# Altium PCB AMP.PcbDoc (part 4 of 5) (continued)
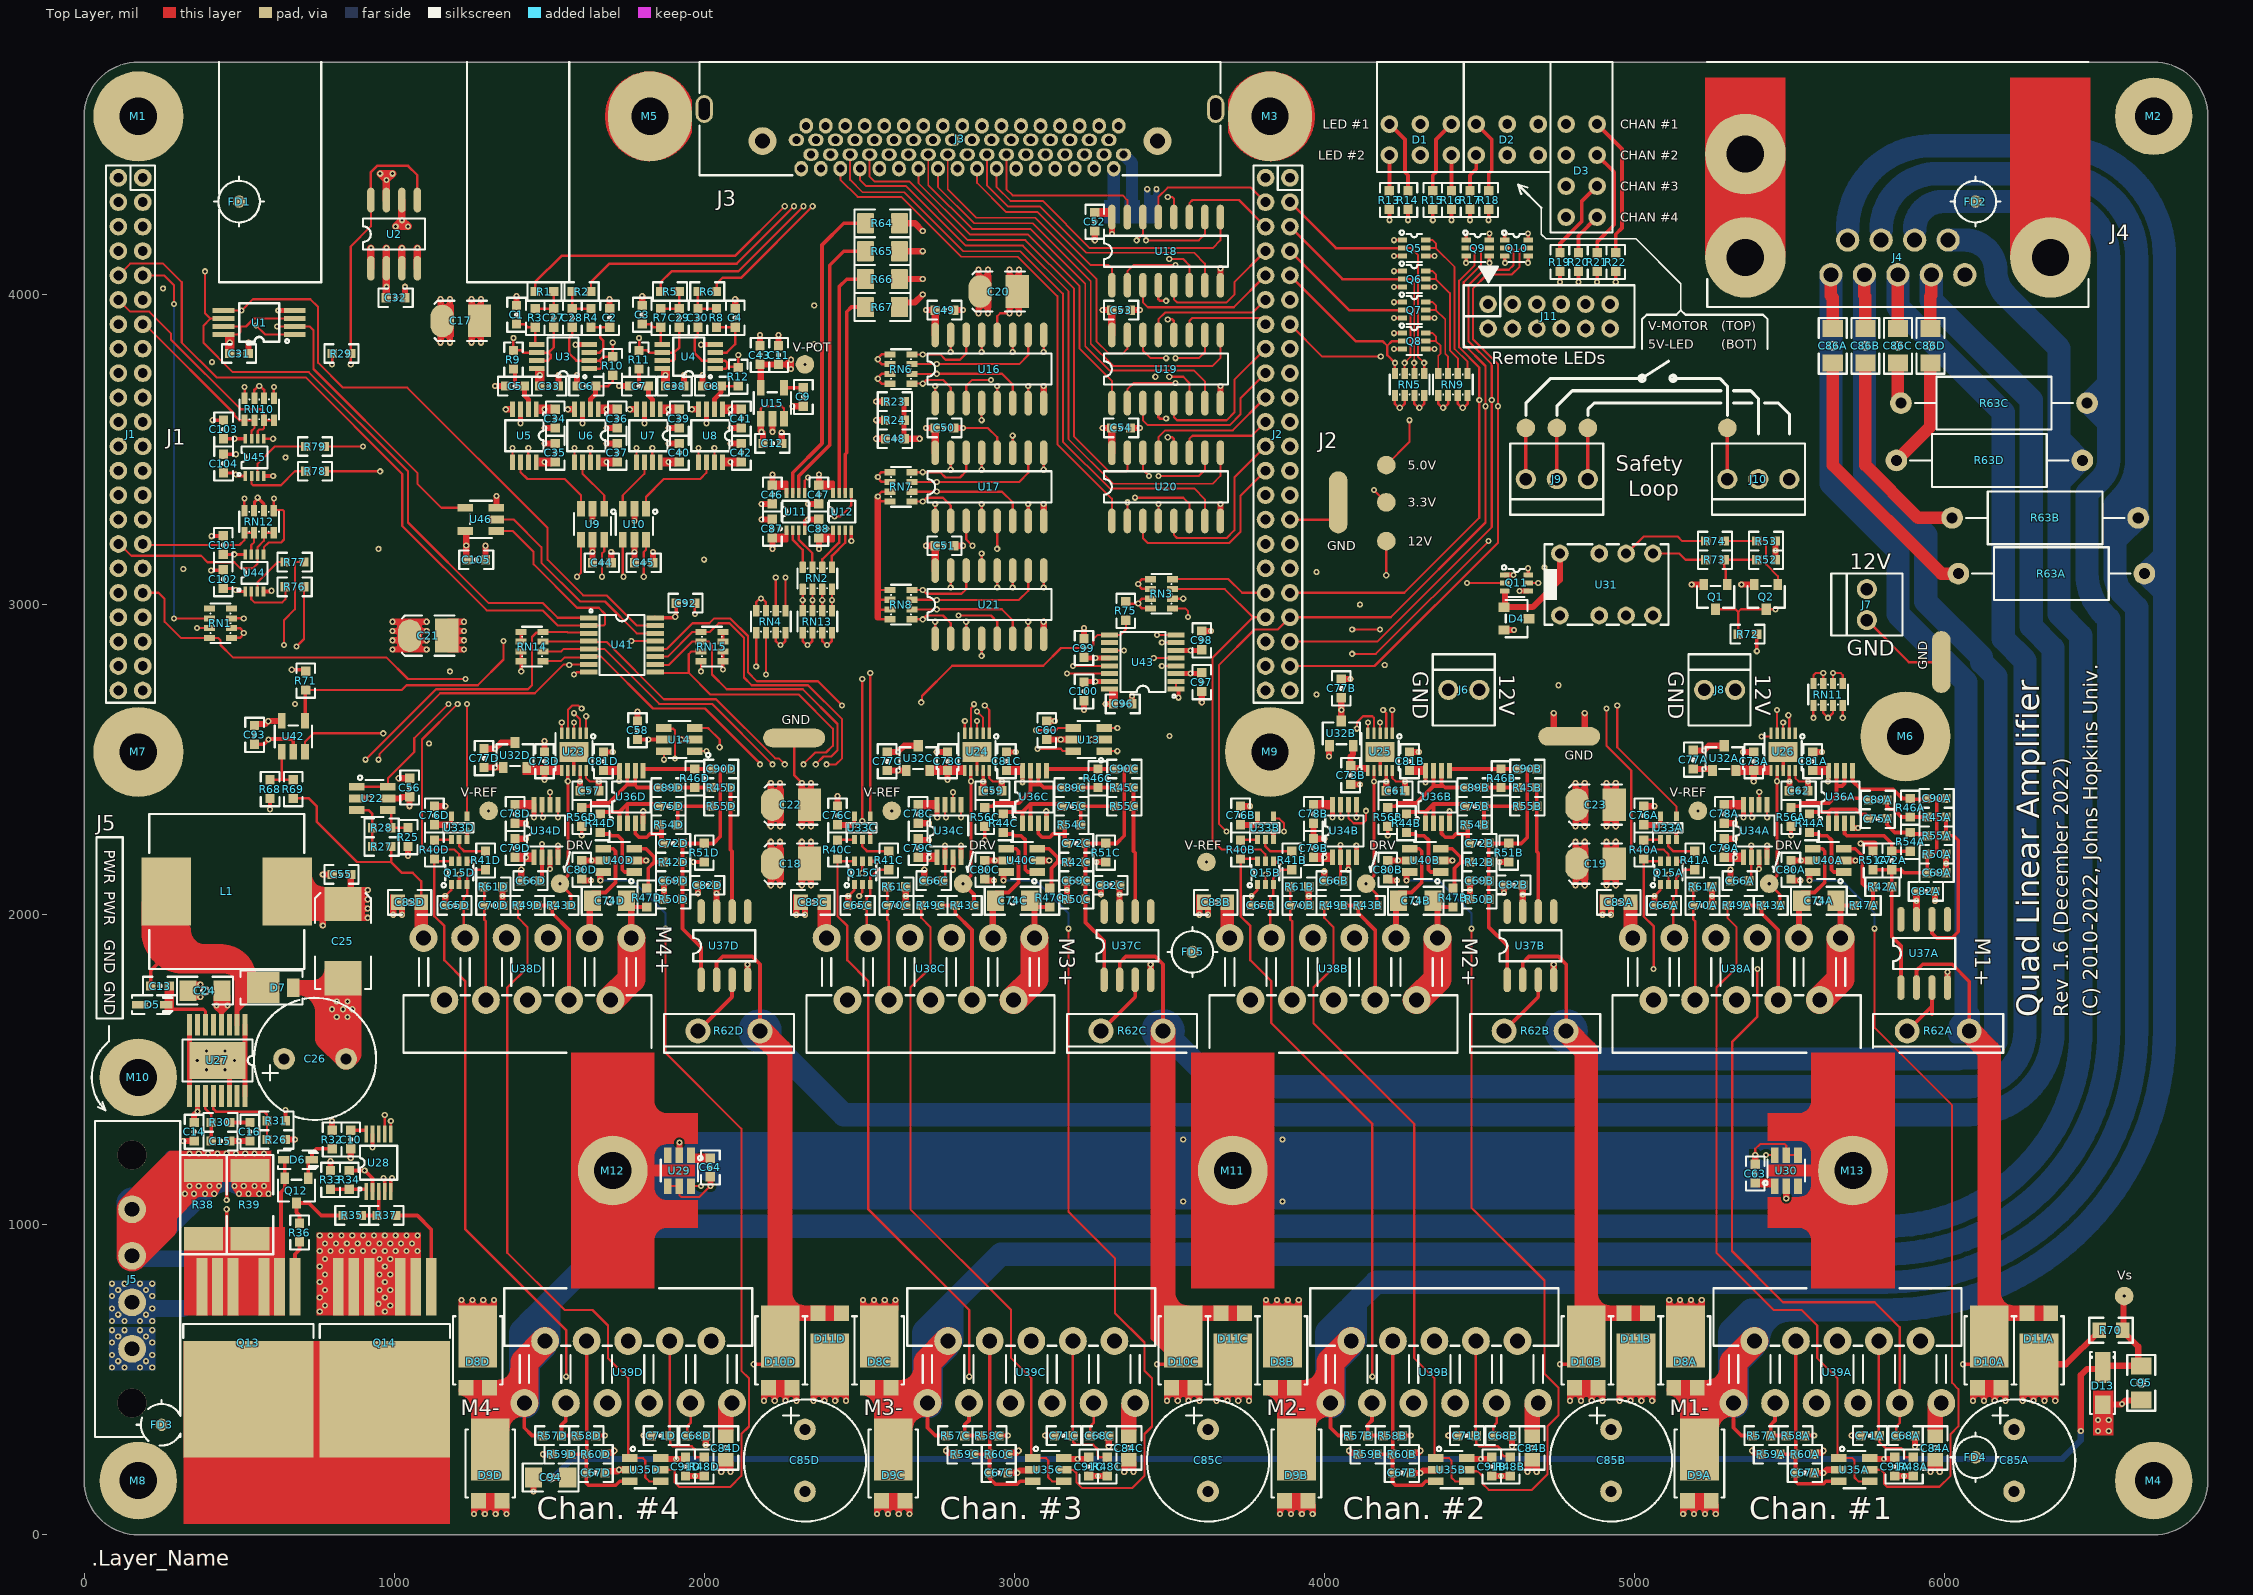
[diagram p0: Top Layer view]
## Nets (pads, with @x,y where several pads share a name; then routed paths per layer and width w, separated by ;. In a path a pad name is that pad's centre, name@x,y a point inside that pad or via, vN(x,y) a via of type N, cw(c..) or ccw(c..) an arc to the next point about the centre after c; other vN are vias at no path point) (continued)
NetR43A_2: R43A.2 R49A.1 U38A.4 | length 378.8
  Top Layer w12: R49A.1@5360,2030 R43A.2@5410,2030 5410,2005 5464,1951 U38A.4@5464,1725 U38A.4@5465,1726
NetR43B_2: R43B.2 R49B.1 U38B.4 | length 377.4
  Top Layer w12: R49B.1@4060,2030 R43B.2@4110,2030 4110,2005 4164,1951 U38B.4@4164,1725
NetR43C_2: R43C.2 R49C.1 U38C.4 | length 377.4
  Top Layer w12: R49C.1@2760,2030 R43C.2@2810,2030 2810,2005 2864,1951 U38C.4@2864,1725
NetR43D_2: R43D.2 R49D.1 U38D.4 | length 377.4
  Top Layer w12: R49D.1@1460,2030 R43D.2@1510,2030 1510,2005 1564,1951 U38D.4@1564,1725
NetR45A_1: R45A.1 R55A.1 U37A.6 | length 540.7
  Top Layer w12: U37A.6@5960,1985 5960,1940 5975,1925 6025,1925 6045,1945 6045,2240 6030,2255 R55A.1@6005,2255 R45A.1@6005,2310
NetR45B_1: R45B.1 R55B.1 U37B.6 | length 402.1
  Top Layer w12: R45B.1@4685,2410 R55B.1@4685,2350 4685,2203.62 4690,2198.62 U37B.6@4690,2010
NetR45C_1: R45C.1 R55C.1 U37C.6 | length 402.1
  Top Layer w12: R45C.1@3385,2410 R55C.1@3385,2350 3385,2205 3390,2200 U37C.6@3390,2010
NetR45D_1: R45D.1 R55D.1 U37D.6 | length 402.1
  Top Layer w12: R45D.1@2085,2410 R55D.1@2085,2350 2085,2210 2090,2205 U37D.6@2090,2010
NetR57A_1: R57A.1 R58A.2 U39A.3 | length 160.8
  Top Layer w12: U39A.3@5454,425 5454,369 5440,355 R57A.1@5440,320 R58A.2@5490,320
NetR57B_1: R57B.1 R58B.2 U39B.3 | length 160.8
  Top Layer w12: U39B.3@4154,425 4154,369 4140,355 R57B.1@4140,320 R58B.2@4190,320
NetR57C_1: R57C.1 R58C.2 U39C.3 | length 160.8
  Top Layer w12: U39C.3@2854,425 2854,369 2840,355 R57C.1@2840,320 R58C.2@2890,320
NetR57D_1: R57D.1 R58D.2 U39D.3 | length 160.8
  Top Layer w12: U39D.3@1554,425 1554,369 1540,355 R57D.1@1540,320 R58D.2@1590,320
NetR64_1: R64.1 U11.7 | length 1008.3
  Top Layer w11.5: U11.7@2285.16,3360 2285.16,3425.16 2380,3520 2380,4160 2450,4230 R64.1@2520,4230
NetR65_1: R65.1 U11.6 | length 910.1
  Top Layer w11.5: U11.6@2304.84,3360 2304.84,3414.84 2405,3515 2405,4095 2450,4140 R65.1@2520,4140
NetR66_1: R66.1 U12.7 | length 760.4
  Top Layer w11.5: U12.7@2435.16,3360 2435.16,3380 2435,3380.16 2435,4025 2460,4050 R66.1@2520,4050
NetR67_1: R67.1 U12.6 | length 653.3
  Top Layer w11.5: U12.6@2454.84,3360 2454.84,3484.84 2460,3490 2460,3945 2475,3960 R67.1@2520,3960
NetR76_1: R76.1 U44.2 | length 183.2
  Top Layer w7: U44.2@539.41,3042.38 539.41,3017.22 549.25,3007.38 639.25,3007.38 649.25,3017.38 R76.1@649.25,3057.38
NetR77_1: R77.1 U44.3 | length 147
  Top Layer w7: U44.3@559.09,3042.38 559.09,3072.22 624.25,3137.38 R77.1@649.25,3137.38
NetR78_1: R78.1 U45.2 | length 220.6
  Top Layer w7: U45.2@540.16,3415 540.16,3389.84 545,3385 635,3385 680,3430 R78.1@715,3430
NetR79_1: R79.1 U45.3 | length 217.8
  Top Layer w7: U45.3@559.84,3415 559.84,3454.84 615,3510 R79.1@715,3510
NetRN2_5: RN2.5 U12.3 | length 137.3
  Top Layer w8: RN2.5@2412.24,3120.5 2412.24,3157.24 2454.53,3199.53 2454.53,3240 U12.3@2454.84,3240
NetRN2_6: RN2.6 U12.2 | length 142
  Top Layer w8: RN2.6@2380.75,3120.5 2380.75,3145.75 2435.16,3200.16 U12.2@2435.16,3240
NetRN2_7: RN2.7 U11.3 | length 137.9
  Top Layer w8: U11.3@2304.84,3240 2304.84,3210.16 2349.25,3165.75 RN2.7@2349.25,3120.5
NetRN2_8: RN2.8 U11.2 | length 133
  Top Layer w8: U11.2@2285.16,3240 2285.16,3209.84 2317.76,3177.24 RN2.8@2317.76,3120.5
NetU5_6: U5.6 U9.3 | length 301.2
  Top Layer w7: U5.6@1407.2,3460 1407.2,3427.8 1430,3405 1550,3405 1602.5,3352.5 U9.3@1602.5,3310
NetU6_6: U6.6 U9.1 | length 179.1
  Top Layer w7: U6.6@1607.2,3460 1607.2,3422.8 1677.5,3352.5 U9.1@1677.5,3310
NetU7_6: U7.6 U10.3 | length 178.9
  Top Layer w7: U10.3@1737.5,3310 1737.5,3352.5 1807.2,3422.2 U7.6@1807.2,3460
NetU8_6: U8.6 U10.1 | length 299.3
  Top Layer w7: U10.1@1812.5,3310 1812.5,3347.5 1870,3405 1987.2,3405 2007.2,3425 U8.6@2007.2,3460
NetU41_14: U41.14 U46.2 | length 693.8
  Top Layer w7: U46.2@1330,3275 1385,3275 1475,3185 1475,3135 1600,3010 1680,3010 1782.5,2907.5 U41.14@1842.25,2907.5
OUT1: J1.22 RN2.1 RN13.8 | length 2534.5
  Top Layer w7: RN13.8@2317.76,2980.5 v1(2317.76,3014.5) RN2.1@2317.76,3049.5
  MidLayer1 w6: J1.22@110.63,3589.37 150,3550 286.16,3550 388.08,3448.08 611.92,3448.08 1070,2990 2185,2990 2209.5,3014.5 v1(2317.76,3014.5)
OUT2: J1.21 RN2.2 RN13.7 | length 2492.7
  Top Layer w7: RN13.7@2349.25,2980.5 v1(2349.25,3014.5) RN2.2@2349.25,3049.5
  MidLayer1 w6: J1.21@189.37,3589.37 280.63,3589.37 405,3465 630,3465 1085,3010 2145,3010 2176,3041 2322.75,3041 v1(2349.25,3014.5)
OUT3: J1.20 RN2.3 RN13.6 | length 2628.9
  Top Layer w7: RN13.6@2380.75,2980.5 v1(2380.75,3014.5) RN2.3@2380.75,3049.5
  MidLayer1 w6: J1.20@110.63,3668.11 150,3628.74 281.26,3628.74 295,3615 560,3615 1145,3030 2140,3030 2163,3053 2342.25,3053 v1(2380.75,3014.5)
OUT4: J1.19 RN2.4 RN13.5 | length 2575
  Top Layer w7: RN13.5@2412.24,2980.5 v1(2412.24,3014.5) RN2.4@2412.24,3049.5
  MidLayer1 w6: J1.19@189.37,3668.11 276.89,3668.11 310,3635 565,3635 1150,3050 2135,3050 2150,3065 2361.74,3065 v1(2412.24,3014.5)
PIN-34: J3.34 | length 183.1
  Bottom Layer w40: J3.34@3352.56,4451.69 3380,4424.25 3380,4280
POSLIM1: J3.9 RN7.5 U17.2 | length 1321.5
  Top Layer w7: RN7.5@2670.5,3332.76 v1(2705,3332.76) 2717.24,3345 2770,3345 2795,3320 U17.2@2795,3270
  MidLayer1 w6: J3.9@2565.16,4406.42 2565.16,4365 2580.16,4350 2580.16,3457.6 v1(2705,3332.76)
POSLIM2: J3.10 RN7.6 U17.6 | length 1578.2
  Top Layer w7: RN7.6@2670.5,3364.25 2960.75,3364.25 2995,3330 U17.6@2995,3270
  MidLayer1 w6: J3.10@2596.65,4451.69 2596.65,4370 2600,4366.65 2600,3465 2700,3365 v1(2750,3365)
POSLIM3: J3.43 RN8.8 U21.14 | length 2582.8
  Top Layer w7: RN8.8@2670.5,3047.24 v1(2705,3047.24) 2717.24,3035 2830,3035 2845,3050 U21.14@2845,3110
  MidLayer1 w6: J3.43@2549.41,4498.94 2549.41,4575.59 2497,4628 2219,4628 ccw(c2219,4526) 2146.88,4598.12 2115.88,4567.12 ccw(c2188,4495) 2086,4495 2086,4349 2450,3985 2450,3345 2705,3090 v1(2705,3047.24)
POSLIM4: J3.44 RN8.7 U21.10 | length 2880.6
  Top Layer w7: RN8.7@2670.5,3015.75 2749.25,3015.75 v1(2750,3015) 3015,3015 3045,3045 U21.10@3045,3110
  MidLayer1 w6: J3.44@2580.91,4544.21 2580.91,4579.09 2520,4640 2219,4640 ccw(c2219,4526) 2138.39,4606.61 2107.39,4575.61 ccw(c2188,4495) 2074,4495 2074,4341 2435,3980 2435,3340 2685,3090 2685,3040 2709.25,3015.75 2749.25,3015.75 v1(2750,3015)
POT1: J3.35 R1.1 | length 1165.9
  Top Layer w8: R1.1@1455,4010 1455,4040 1540,4125 2100,4125 v1(2260,4285)
  MidLayer1 w8: v1(2260,4285) 2260,4461.5 J3.35@2297.44,4498.94
POT2: J3.2 R5.1 | length 768.4
  Top Layer w8: R5.1@1860,4010 1860,4040 1895,4075 2110,4075 v1(2320,4285)
  MidLayer1 w6: 2344.69,4375 J3.2@2344.69,4451.69
  MidLayer1 w8: v1(2320,4285) 2344.69,4309.69 2344.69,4375
POT3: J3.37 R2.1 | length 1047.5
  Top Layer w8: R2.1@1635,4010 1635,4040 1695,4100 2105,4100 v1(2290,4285)
  MidLayer1 w6: 2304.89,4459.89 2343.94,4498.94 J3.37@2360.43,4498.94
  MidLayer1 w8: v1(2290,4285) 2290,4360 2280,4370 2280,4435 2304.89,4459.89
POT4: J3.4 R6.1 | length 629.1
  Top Layer w8: R6.1@2040,4010 2040,4035 2060,4055 2120,4055 v1(2350,4285)
  MidLayer1 w6: 2407.68,4375 J3.4@2407.68,4451.69
  MidLayer1 w8: v1(2350,4285) 2407.68,4342.68 2407.68,4375
PWR-EN: J1.36 RN1.7 U28.6 | length 2231.7
  Top Layer w7: v1(364.25,2924.25) RN1.7@404.5,2924.25 ; U28.6@989.37,1292.5 v1(989.37,1334.37)
  MidLayer1 w6: J1.36@110.63,3038.19 150,2998.82 289.68,2998.82 v1(364.25,2924.25) 810,2478.5 810,1817.32 989.37,1637.95 v1(989.37,1334.37)
PWR-IN: D12.1 J5.3 J5.4 R38.1 R39.1 U28.5 | length 3797
  Top Layer w11.5: U28.5@989.37,1107.5 v1@989.37,1150.31
  Top Layer w12: v1(460,1080) 460,1175
  Top Layer w20: v1(420,1100) v1(435,1125) ; v1(485,1125) v1(500,1100)
  Top Layer w50: J5.4@135,1065 285,1215 345,1215 366.15,1210.77 370,1210 R38.1@380,1210 ; J5.3@172.5,882.5 275,985 275,1030 355,1110
  Top Layer w75: R38.1@385,1175 460,1175 R39.1@535,1175
  Top Layer w100: J5.3@155,900 J5.4@155,1050
  MidLayer1 w11.5: v1(460,1080) 465,1075 850,1075 948,1173 977,1173 993.5,1156.5 v1(993.5,1150.31)
  MidLayer1 w20: v1(420,1100) cw(c460,1060) v1(500,1100)
  MidLayer1 w50: J5.4@137.5,1067.5 285,1215 ; J5.3@172.5,882.5 v1(390,1100) v1@395,1105
  MidLayer1 w100: J5.3@155,900 J5.4@155,1050
  MidLayer1 w110: 180,1000 290,1110
  Bottom Layer w20: v1(420,1100) cw(c460,1060) v1(500,1100)
  Bottom Layer w40: J5.4@125,1025 125,1070 cw(c155,1070) 155,1100 ccw(c155,1225) 279.9,1220 310,1220
  Bottom Layer w50: J5.3@172.5,882.5 277.5,987.5 v1(390,1100) v1@395,1105 ; 380,1115 387.5,1122.5
  Bottom Layer w54: J5.3@170,890 D12.1@320,890
  Bottom Layer w100: J5.3@155,900 J5.4@155,1050
  Bottom Layer w110: 180,1000 290,1110
  other v1: 325,1100 355,1100 530,1100 565,1100 595,1100 340,1125 370,1125 405,1125 515,1125 550,1125 580,1125 340,1230 370,1230 400,1230 430,1230 460,1230 490,1230 520,1230 550,1230 580,1230
RELAY-ON: J1.35 Q11.5 RN1.8 | length 5009.3
  Top Layer w7: J1.35@189.37,3038.19 240,3038.19 259.88,3018.31 259.88,2945.12 312.24,2892.76 RN1.8@404.5,2892.76 432.24,2892.76 440,2885 440,2870 480,2830 975,2830 1045,2760 v1(1230,2760) ; v1(4090,2920) v1(4180,2920) ; Q11.5@4657.5,3070 v1(4690,3070)
  MidLayer1 w6: v1(1230,2760) 1250,2740 2135,2740 2197,2802 2812,2802 3100,3090 3705,3090 3796.18,2998.82 3831.18,2998.82 3850,2980 3850,2940 3869.92,2920.08 4089.92,2920.08 v1(4090,2920) ; v1(4180,2920) 4540,2920 v1(4690,3070)
SAFETY-A: Q1.1 R52.1 R73.2 | length 189.1
  Top Layer w7: Q1.1@5300,3065 5295,3070 5295,3115 5290,3120 R73.2@5290,3145 R52.1@5395,3145
SAFETY-B: Q2.1 R53.1 R74.2 | length 287.8
  Top Layer w7: R74.2@5290,3205 R53.1@5395,3205 5420,3205 5425,3200 5425,3130 5463,3092 Q2.1@5463,3065
SAFETY-FB: Q1.3 Q2.3 R72.2 U41.12 | length 4694.2
  Top Layer w7: U41.12@1842.25,2857.5 1880,2857.5 1962.5,2940 2016.25,2940 2031.25,2955 2085,2955 2141.31,2898.69 2141.31,2781.69 2170,2753 2367,2753 v1(2445,2675) ; Q1.3@5262,2985 5326.5,2985 5335,2976.5 ; R72.2@5335,2905 5335,2976.5 ; v1(5455,2985) Q2.3@5425,2985 5343.5,2985 5335,2976.5
  MidLayer1 w7: v1(2445,2675) 2641.96,2675 2651.96,2665 2750,2665 2783.5,2698.5 2918.5,2698.5 3125.5,2905.5 3253.18,2905.5 3282.68,2935 3530.53,2935 3605,2860.53 3605,2820 3740,2685 4019.1,2685 4029.1,2695 4235,2695 4299.5,2630.5 5380.5,2630.5 5455,2705 v1(5455,2985)
SCLK: J1.24 RN11.3 RN11.4 U23.3 U24.3 U25.3 U26.3 U43.8 | length 6932.1
  Top Layer w7: U23.3@1580,2585 v1(1580,2619.68) ; U24.3@2880,2585 v1(2880,2624.68) ; v1(3460,2902.5) U43.8@3522.25,2902.5 ; U25.3@4180,2585 v1(4180,2619.68) ; U26.3@5480,2585 v1(5480,2619.68) ; RN11.4@5577.76,2745.5 5577.76,2772.76 5584.25,2779.25 v1(5609.25,2779.25) RN11.3@5609.25,2745.5
  MidLayer1 w6: J1.24@110.63,3510.63 150,3471.26 303.74,3471.26 1135,2640 1560,2640 1580,2620 v1(1580,2619.68) 1776.56,2619.68 1821.87,2665 2408.03,2665 2433.03,2640 2825,2640 2830,2645 2859.68,2645 v1(2880,2624.68) 2894.68,2624.68 3145,2875 3257.33,2875 3284.83,2902.5 v1(3460,2902.5) 3487.5,2902.5 3511,2879 3511,2626.87 3718.93,2418.93 ccw(c3825,2525) 3931.07,2418.93 3996,2483.87 3996,2519.81 4116.19,2640 4159.68,2640 v1(4180,2619.68) 4204.68,2595 5455.32,2595 v1(5480,2619.68) 5499.68,2619.68 5525,2645 5525,2695 v1(5609.25,2779.25)
SCLK1: J1.5 U1.6 U41.1 | length 2256.5
  Top Layer w6: 407.2,3922.2 407.2,3922.8
  Top Layer w7: v1(390,4075) 390,3940 407.2,3922.8 U1.6@450,3922.8 ; 407.2,3922.2 385,3900 385,3845 480,3750 725,3750 1045,3430 1045,3265 1305,3005 1480,3005 1527.5,2957.5 U41.1@1627.75,2957.5
  MidLayer1 w6: J1.5@189.37,4219.29 245.71,4219.29 v1(390,4075)
SCLK-CUR: R77.2 U34A.7 U34B.7 U34C.7 U34D.7 | length 5795
  Top Layer w7: v1(645,2870) 645,2950 680,2985 680,3133.86 683.51,3137.38 R77.2@709.25,3137.38 ; v1@1477.2,2316.8 U34D.7@1477.2,2355 ; U34C.7@2777.2,2355 2777.2,2316.8 v1(2780,2314) ; U34B.7@4052.2,2355 4052.2,2316.8 v1(4055,2314) ; U34A.7@5377.2,2355 5377.2,2316.8 v1(5380,2314)
  MidLayer1 w6: v1(645,2870) 645,2845 1100,2390 1404,2390 v1(1480,2314) 1499,2295 1540,2295 1600,2355 1925,2355 2083,2513 2397,2513 2555,2355 2739,2355 v1(2780,2314) 2804,2290 3550,2290 3645,2195 3900,2195 3994,2289 4030,2289 v1(4055,2314) 4074,2295 4241,2295 4316,2370 5324,2370 v1(5380,2314)
SCLK-CUR3: J1.32 RN12.3 RN12.4 U44.6 | length 626.8
  Top Layer w6: J1.32@110.63,3195.67 J1.32@114.33,3195.67
  Top Layer w7: J1.32@114.33,3195.67 152.51,3157.49 377.51,3157.49 398.12,3136.88 484.75,3136.88 504.25,3117.38 544.25,3117.38 559.25,3132.38 U44.6@559.25,3162.22 ; U44.6@559.09,3162.38 559.09,3185.12 580,3206.02 RN12.3@580,3231.88 RN12.4@611.5,3231.88
SCLK-POT: R79.2 U5.7 U6.7 U7.7 U8.7 | length 1514.4
  Top Layer w7: R79.2@775,3510 v1(900,3510) ; U5.7@1432.8,3460 v1(1432.8,3505) ; U6.7@1632.8,3460 v1(1632.8,3505) ; U7.7@1832.8,3460 v1(1832.8,3505) ; U8.7@2032.8,3460 v1(2032.8,3505)
  MidLayer1 w6: v1(900,3510) 915,3525 1412.8,3525 v1(1432.8,3505) 1437.8,3500 1545,3500 1570,3525 1612.8,3525 v1(1632.8,3505) 1637.8,3500 1745,3500 1770,3525 1812.8,3525 v1(1832.8,3505) 1837.8,3500 1945,3500 1970,3525 2012.8,3525 v1(2032.8,3505)
SCLK-POT3: J1.12 RN10.3 RN10.4 U45.6 | length 763.3
  Top Layer w7: J1.12@110.63,3983.07 148.7,3945 210,3945 280,3875 280,3855 505,3630 570,3630 580,3620 580,3595.25 RN10.3@580.75,3594.5 ; U45.6@559.84,3535 560,3535.16 560,3560 565,3565 575.9,3565 580,3569.1 580,3593.75 RN10.3@580.75,3594.5 ; RN10.4@612.24,3594.5 RN10.3@580.75,3594.5
TEMP1: J1.33 U30.6 | length 6566.3
  Top Layer w7: v1(5425,1225) U30.6@5452.5,1225 U30.6@5455,1225
  MidLayer1 w7: J1.33@189.37,3116.93 248.07,3116.93 655,2710 685,2710 875,2520 875,1845 1135,1585 1710,1585 2105,1190 3537.26,1190 3628.63,1098.63 ccw(c3705,1175) 3781.37,1098.63 3867.74,1185 5385,1185 v1(5425,1225)
TEMP2: J1.34 U29.6 | length 3196.8
  Top Layer w7: U29.6@1957.5,1125 v1(1990,1125)
  MidLayer1 w7: J1.34@110.63,3116.93 150,3077.56 242.44,3077.56 825,2495 825,1825 1110,1540 1690,1540 1965,1265 1965,1150 v1(1990,1125)
V-ENC1/2: J3.23 J3.25 U2.7 | length 161.6
  Top Layer w24: U2.7@975,4305 v1(975,4370) ; v1(975,4370) v1(995,4390) v1(955,4390) v1(975,4370)
V-ENC3/4: J3.27 J3.29 U2.6 | length 161.6
  Top Layer w24: U2.6@1025,4305 v1(1025,4240) ; v1(1025,4240) v1(1045,4220) v1(1005,4220) v1(1025,4240)
V-MOTOR: C24.1 C26.1 C83A.2 C83B.2 C83C.2 C83D.2 C84A.2 C84B.2 C84C.2 C84D.2 C85A.1 C85B.1 C85C.1 C85D.1 D8A.3 D8B.3 D8C.3 D8D.3 D11A.3 D11B.3 D11C.3 D11D.3 Q14.2 Q14.3 Q14.5 Q14.6 Q14.7 R27.1 R34.1 R59A.2 R59B.2 R59C.2 R59D.2 R69.2 R70.2 U27.4 U28.2 U38A.10 U38A.11 U38B.10 U38B.11 U38C.10 U38C.11 U38D.10 U38D.11 U39A.10 U39A.11 U39B.10 U39B.11 U39C.10 U39C.11 U39D.10 U39D.11 | length 4132.5
  Top Layer w8: R69.2@675,2375 725,2375 750,2350 750,2300 880,2170 990,2170 ; R27.1@990,2220 990,2170 ; C83D.2@1087.5,2040 1087.5,2107.5 1060,2135 1025,2135 990,2170
  Top Layer w11.5: v1(905,1175) 930.31,1149.69 U28.2@930.31,1107.5
  Top Layer w12: R34.1@855,1175 v1(905,1175)
  Top Layer w16: v1@425.75,1701.75 442,1685.5 ; U27.4@442.8,1645 442.8,1692.2 ; C24.1@445,1750 445,1710 447.5,1707.5 ; 445.59,1687.5 v1@464.05,1705.95
  Top Layer w20: v1@427.5,1703 v1(427.5,1707.5) ; C24.1@427.5,1737.5 v1(427.5,1707.5) ; C24.1@462.5,1737.5 v1(462.5,1707.5) 447.5,1707.5 v1(427.5,1707.5) ; D8D.3@1217.5,727.5 v1@1217.5,752.5 ; v1(1217.5,757.5) v1@1217.5,752.5 ; D8D.3@1252.5,727.5 v1@1252.5,752.5 ; v1(1252.5,757.5) v1@1252.5,752.5 ; D8D.3@1287.5,727.5 v1@1287.5,752.5 ; v1(1287.5,757.5) v1@1287.5,752.5 ; D8D.3@1322.5,727.5 v1@1322.5,752.5 ; v1(1322.5,757.5) v1@1322.5,752.5 ; v1(1480,260) R59D.2@1510,260 ; v1(2352.5,432.5) v1@2352.5,437.5 ; D11D.3@2352.5,462.5 v1@2352.5,437.5 ; v1(2387.5,432.5) v1@2387.5,437.5 ; D11D.3@2387.5,462.5 v1@2387.5,437.5 ; v1(2422.5,432.5) v1@2422.5,437.5 ; D11D.3@2422.5,462.5 v1@2422.5,437.5 ; v1(2457.5,432.5) v1@2457.5,437.5 ; D11D.3@2457.5,462.5 v1@2457.5,437.5 ; D8C.3@2512.5,727.5 v1@2512.5,752.5 ; v1(2512.5,757.5) v1@2512.5,752.5 ; D8C.3@2547.5,727.5 v1@2547.5,752.5 ; v1(2547.5,757.5) v1@2547.5,752.5 ; D8C.3@2582.5,727.5 v1@2582.5,752.5 ; v1(2582.5,757.5) v1@2582.5,752.5 ; D8C.3@2617.5,727.5 v1(2617.5,757.5) ; v1@2617.5,752.5 cw(c2600,752.5) v1@2582.5,752.5 ; v1(2780,271) 2786,265 2805,265 R59C.2@2810,260 ; v1(3652.5,432.5) v1@3652.5,437.5 ; D11C.3@3652.5,462.5 v1@3652.5,437.5 ; v1(3687.5,432.5) v1@3687.5,437.5 ; D11C.3@3687.5,462.5 v1@3687.5,437.5 ; v1(3722.5,432.5) v1@3722.5,437.5 ; D11C.3@3722.5,462.5 v1@3722.5,437.5 ; v1(3757.5,432.5) v1@3757.5,437.5 ; D11C.3@3757.5,462.5 v1@3757.5,437.5 ; D8B.3@3812.5,727.5 v1@3812.5,752.5 ; v1(3812.5,757.5) v1@3812.5,752.5 ; D8B.3@3847.5,727.5 v1@3847.5,752.5 ; v1(3847.5,757.5) v1@3847.5,752.5 ; D8B.3@3882.5,727.5 v1@3882.5,752.5 ; v1(3882.5,757.5) v1@3882.5,752.5 ; D8B.3@3917.5,727.5 v1(3917.5,757.5) ; v1@3917.5,752.5 cw(c3900,752.5) v1@3882.5,752.5 ; v1(4080,271) 4086,265 4105,265 R59B.2@4110,260 ; v1(4952.5,432.5) v1@4952.5,437.5 ; D11B.3@4952.5,462.5 v1@4952.5,437.5 ; v1(4987.5,432.5) v1@4987.5,437.5 ; D11B.3@4987.5,462.5 v1@4987.5,437.5 ; v1(5022.5,432.5) v1@5022.5,437.5 ; D11B.3@5022.5,462.5 v1@5022.5,437.5 ; v1(5057.5,432.5) v1@5057.5,437.5 ; D11B.3@5057.5,462.5 v1@5057.5,437.5 ; D8A.3@5112.5,727.5 v1@5112.5,752.5 ; v1(5112.5,757.5) v1@5112.5,752.5 ; D8A.3@5147.5,727.5 v1@5147.5,752.5 ; v1(5147.5,757.5) v1@5147.5,752.5 ; D8A.3@5182.5,727.5 v1@5182.5,752.5 ; v1(5182.5,757.5) v1@5182.5,752.5 ; D8A.3@5217.5,727.5 v1(5217.5,757.5) ; v1@5217.5,752.5 cw(c5200,752.5) v1@5182.5,752.5 ; v1(5380,271) 5386,265 5405,265 R59A.2@5410,260 ; v1(6252.5,432.5) v1@6252.5,437.5 ; D11A.3@6252.5,462.5 v1@6252.5,437.5 ; v1(6287.5,432.5) v1@6287.5,437.5 ; D11A.3@6287.5,462.5 v1@6287.5,437.5 ; D11A.3@6305,550 6392,550 6499,657 R70.2@6499,660 ; v1(6322.5,432.5) v1@6322.5,437.5 ; D11A.3@6322.5,462.5 v1@6322.5,437.5 ; v1(6357.5,432.5) v1@6357.5,437.5 ; D11A.3@6357.5,462.5 v1@6357.5,437.5 ; v1@1217.5,752.5 ccw(c1235,752.5) v1@1252.5,752.5 ; v1@1252.5,752.5 ccw(c1270,752.5) v1@1287.5,752.5 ; v1@1287.5,752.5 ccw(c1305,752.5) v1@1322.5,752.5 ; v1@2352.5,437.5 cw(c2370,437.5) v1@2387.5,437.5 ; v1@2387.5,437.5 cw(c2405,437.5) v1@2422.5,437.5 ; v1@2422.5,437.5 cw(c2440,437.5) v1@2457.5,437.5 ; v1@2512.5,752.5 ccw(c2530,752.5) v1@2547.5,752.5 ; v1@2547.5,752.5 ccw(c2565,752.5) v1@2582.5,752.5 ; v1@3652.5,437.5 cw(c3670,437.5) v1@3687.5,437.5 ; v1@3687.5,437.5 cw(c3705,437.5) v1@3722.5,437.5 ; v1@3722.5,437.5 cw(c3740,437.5) v1@3757.5,437.5 ; v1@3812.5,752.5 ccw(c3830,752.5) v1@3847.5,752.5 ; v1@3847.5,752.5 ccw(c3865,752.5) v1@3882.5,752.5 ; v1@4952.5,437.5 cw(c4970,437.5) v1@4987.5,437.5 ; v1@4987.5,437.5 cw(c5005,437.5) v1@5022.5,437.5 ; v1@5022.5,437.5 cw(c5040,437.5) v1@5057.5,437.5 ; v1@5112.5,752.5 ccw(c5130,752.5) v1@5147.5,752.5 ; v1@5147.5,752.5 ccw(c5165,752.5) v1@5182.5,752.5 ; v1@6252.5,437.5 cw(c6270,437.5) v1@6287.5,437.5 ; v1@6287.5,437.5 cw(c6305,437.5) v1@6322.5,437.5 ; v1@6322.5,437.5 cw(c6340,437.5) v1@6357.5,437.5
  Top Layer w44: U38D.11@1087.5,1932.5 C83D.2@1087.5,2040 ; C83C.2@2387.5,2040 2387.5,1932.5 U38C.11@2395,1925 ; U38B.11@3687.5,1932.5 C83B.2@3687.5,2040 ; U38A.11@4987.5,1932.5 C83A.2@4987.5,2040
  other v1: 760,720 970,720 777.5,740 987.5,740 950,745 760,765 970,765 777.5,790 952.5,790 987.5,790 760,815 970,815 777.5,840 952.5,840 987.5,840 760,865 970,865 777.5,890 952.5,890 987.5,890 760,915 795,915 830,915 865,915 900,915 935,915 970,915 1005,915 1040,915 1075,915 777.5,940 812.5,940 847.5,940 882.5,940 917.5,940 952.5,940 987.5,940 1022.5,940 1057.5,940 760,965 795,965 830,965 865,965 900,965 935,965 970,965 1005,965 1040,965 1075,965
V-POT: C11.1 C34.1 C36.1 C39.1 C41.1 C43.1 J3.31 J3.32 J3.33 pad.0@2325,3775 U5.1 U6.1 U7.1 U8.1 U15.5 | length 473.8
  Top Layer w20: U15.5@2182.5,3700 2182.5,3772.5 C43.1@2180,3775 C11.1@2240,3775 2265,3775 ; 2265,3775 v1(2280,3790) v1(2280,3760) 2265,3775
  MidLayer1 w40: J3.31@3258.07,4406.42 J3.32@3289.57,4451.69 J3.33@3321.06,4406.42
  Bottom Layer w40: 3321,4276 J3.33@3321,4406
  other v1: 1485,3630 1685,3630 1885,3630 2085,3630
V-REF1: C73A.1 C79A.1 C97.1 pad.0@5205,2335 R51A.2 U26.6 U32A.2 U34A.1 U43.3 | length 127.8
  Top Layer w16: U43.3@3522.25,2777.5 C97.1@3605,2777.5
  Top Layer w20: v1(5730,2230) 5775,2230
  other v1: 5325,2185 5385,2430 3568.48,2777.5
V-REF2: C73B.1 C79B.1 C98.1 pad.0@3620,2170 R51B.2 U25.6 U32B.2 U34B.1 U43.6 | length 183.9
  Top Layer w7: U43.6@3521,2853.75 U43.6@3522.25,2852.5 ; C98.1@3602.5,2852.5 C98.1@3605,2855
  Top Layer w16: U43.6@3522.25,2852.5 v1(3568.48,2852.5) C98.1@3602.5,2852.5
  Top Layer w20: C73B.1@4085,2480 4085,2510 4093,2518 U32B.2@4093,2545 ; v1(4565,2170) R51B.2@4595,2170
  other v1: 4000,2185 4115,2470
V-REF3: C73C.1 C79C.1 C99.1 pad.0@2605,2335 R51C.2 U24.6 U32C.2 U34C.1 U43.12 | length 107.8
  Top Layer w16: C99.1@3225,2827.5 U43.12@3307.75,2827.5
  Top Layer w20: v1(3265,2170) R51C.2@3290,2170
  other v1: 2725,2185 2785,2435 3261.52,2827.5
V-REF4: C73D.1 C79D.1 C100.1 pad.0@1305,2335 R51D.2 U23.6 U32D.2 U34D.1 U43.15 | length 116.3
  Top Layer w7: C100.1@3222.52,2750.02 C100.1@3225,2752.5
  Top Layer w14: v1(1965,2170) R51D.2@1995,2170
  Top Layer w16: C100.1@3225,2752.5 U43.15@3307.75,2752.5
  other v1: 1425,2185 1485,2435 3261.52,2752.5
VCC: C12.1 C14.1 C17.1 C18.1 C19.1 C32.1 C33.1 C35.1 C37.1 C38.1 C40.1 C42.1 C46.1 C47.1 C78A.1 C78B.1 C78C.1 C78D.1 C80A.1 C80B.1 C80C.1 C80D.1 C82A.1 C82B.1 C82C.1 C82D.1 C93.1 C102.1 C104.1 D4.2 D5.2 J1.41 J1.42 J11.11 pad.0@4200,3450 Q5.4 Q6.4 Q7.4 Q8.4 R17.2 R18.2 R19.2 R20.2 R21.2 R22.2 R23.1 RN6.1 RN6.2 RN6.3 RN6.4 RN7.1 RN7.2 RN7.3 RN7.4 RN8.1 RN8.2 RN8.3 RN8.4 RN9.1 RN9.2 RN9.3 RN9.4 U2.2 U3.8 U4.8 U5.8 U6.8 U7.8 U8.8 U11.8 U12.8 U15.1 U15.3 U27.10 U31.1 U34A.8 U34B.8 U34C.8 U34D.8 U37A.7 U37B.7 U37C.7 U37D.7 U40A.5 U40B.5 U40C.5 U40D.5 U42.5 U44.1 U45.1 | length 4261.3
  Top Layer w7: U15.1@2182.5,3600 2182.5,3632.5 2190,3640 2250,3640 2257.5,3632.5 U15.3@2257.5,3600 ; pad.0@4200,3450 4275,3525 v1(4275,3595)
  Top Layer w8: 2560,2952.76 RN8.4@2599.5,2952.76 RN8.4@2604.5,2952.76 ; 2560,2984.25 RN8.3@2599.5,2984.25 RN8.3@2604.5,2984.25 ; 2560,3015.75 RN8.2@2599.5,3015.75 RN8.2@2604.5,3015.75 ; 2560,3047.24 RN8.1@2599.5,3047.24 RN8.1@2604.5,3047.24 ; 2560,3332.76 RN7.4@2599.5,3332.76 ; v1@2560,3345 v1(2560,3348.5) 2560,3352.01 2572.24,3364.25 RN7.3@2599.5,3364.25 ; RN7.2@2599.5,3395.75 2572.24,3395.75 2560,3407.99 v1(2560,3411.5) 2560,3415 2572.24,3427.24 RN7.1@2599.5,3427.24 ; RN6.4@2599.5,3712.76 2572.24,3712.76 2560,3725 v1(2560,3728.5) 2560,3732.01 2572.24,3744.25 RN6.3@2599.5,3744.25 ; RN6.2@2599.5,3775.75 2572.24,3775.75 2560,3787.99 v1(2560,3791.5) 2560,3795 2572.24,3807.24 RN6.1@2599.5,3807.24 ; RN9.1@4367.76,3674.5 4367.76,3647.24 4380,3635 v1(4383.5,3635) 4387.01,3635 4399.25,3647.24 RN9.2@4399.25,3674.5 ; RN9.3@4430.75,3674.5 4430.75,3647.24 4442.99,3635 v1(4446.5,3635) 4450,3635 4462.24,3647.24 RN9.4@4462.24,3674.5
  Top Layer w10: C104.1@450,3425 485,3425 v1(490,3420) 495,3415 U45.1@520.47,3415 ; C102.1@454.25,3047.38 C102.1@449.25,3052.38 484.25,3052.38 v1(489.25,3047.38) 494.25,3042.38 518.97,3042.38 518.97,3041.63 U44.1@519.72,3042.38 ; Q8.4@4327.5,3824.41 v1(4355.59,3824.41) ; Q7.4@4327.5,3924.41 v1(4355.59,3924.41) ; Q6.4@4327.5,4024.41 v1(4355.59,4024.41) ; Q5.4@4327.5,4124.41 v1(4355.59,4124.41)
  Top Layer w11.5: U11.8@2265.47,3360 2265.47,3394.25 ; U12.8@2415.47,3360 2415.47,3394.25
  Top Layer w12: D5.2@185,1710 v1(210,1710) ; v1(4470,4240) R17.2@4470,4275 ; v1(4530,4240) R18.2@4530,4275 ; v1(4760,4040) R19.2@4760,4075 ; v1(4820,4040) R20.2@4820,4075 ; v1(4880,4040) R21.2@4880,4075 ; v1(4940,4040) R22.2@4940,4075
  Top Layer w16: v1(366.02,1365) U27.10@366.02,1415 ; v1(1451.61,2314) U34D.8@1451.61,2355 ; v1(2751.61,2314) U34C.8@2751.61,2355 ; v1(4026.61,2314) U34B.8@4026.61,2355 ; v1(5351.61,2314) U34A.8@5351.61,2355
  Top Layer w20: C14.1@355,1330 355,1353.98 v1(366.02,1365) ; C93.1@550,2610 555,2615 585,2615 v1(594.06,2624.07) ; v1@594.06,2625 U42.5@637.5,2625 ; v1(1150,3845) 1150,3855 ; C17.1@1150,3895 1150,3855 ; C17.1@1150,3935 1150,3975 ; v1(1150,3985) 1150,3975 ; v1(1180,3845) 1180,3855 ; C17.1@1180,3895 1180,3855 ; C17.1@1180,3935 1180,3975 ; v1(1180,3985) 1180,3975 ; C80D.1@1605,2175 v1(1637,2175) U40D.5@1675,2175 ; U37D.7@2040,2010 v1(2040,2068) C82D.1@2040,2095 ; U15.1@2182.5,3600 2182.5,3560 v1(2185,3557.5) 2190,3552.5 C12.1@2190,3520 ; v1(2215,2095) 2215,2105 ; C18.1@2215,2145 2215,2105 ; C18.1@2215,2185 2215,2225 ; v1(2215,2235) 2215,2225 ; C46.1@2220,3385 v1(2220,3420) ; v1(2245,2095) 2245,2105 ; C18.1@2245,2145 2245,2105 ; C18.1@2245,2185 2245,2225 ; v1(2245,2235) 2245,2225 ; C47.1@2370,3385 v1(2370,3420) ; v1(2555,3655) R23.1@2585,3655 ; 2560,2958.76 2560,2984.25 2560,3015.75 2560,3047.24 2560,3332.76 v1@2560,3345 ; C80C.1@2905,2175 v1(2937,2175) U40C.5@2975,2175 ; U37C.7@3340,2010 v1(3340,2065) C82C.1@3340,2095 ; C80B.1@4205,2175 v1(4237,2175) U40B.5@4275,2175 ; D4.2@4580,2918 v1(4612,2918) ; U37B.7@4640,2010 v1(4640,2065) C82B.1@4640,2095 ; v1(4810,2095) 4810,2105 ; C19.1@4810,2145 4810,2105 ; C19.1@4810,2185 4810,2225 ; v1(4810,2235) 4810,2225 ; v1(4840,2095) 4840,2105 ; C19.1@4840,2145 4840,2105 ; C19.1@4840,2185 4840,2225 ; v1(4840,2235) 4840,2225 ; C80A.1@5505,2175 v1(5537,2175) U40A.5@5575,2175 ; 1150,3855 cw(c1165,3855) 1180,3855 ; 1150,3975 ccw(c1165,3975) 1180,3975 ; 2215,2105 cw(c2230,2105) 2245,2105 ; 2215,2225 ccw(c2230,2225) 2245,2225 ; 4810,2105 cw(c4825,2105) 4840,2105 ; 4810,2225 ccw(c4825,2225) 4840,2225
  Top Layer w24: C32.1@975,3990 v1(975,4025) U2.2@975,4085 v1(975,4150) ; U37A.7@5910,1985 5910,2040 C82A.1@5910,2075
  other v1: 5910,2045 1485,3460 1685,3460 1885,3460 2085,3460 1470,3740 1875,3740